# Allegro board pc053c_toplevel_61.brd (continued)
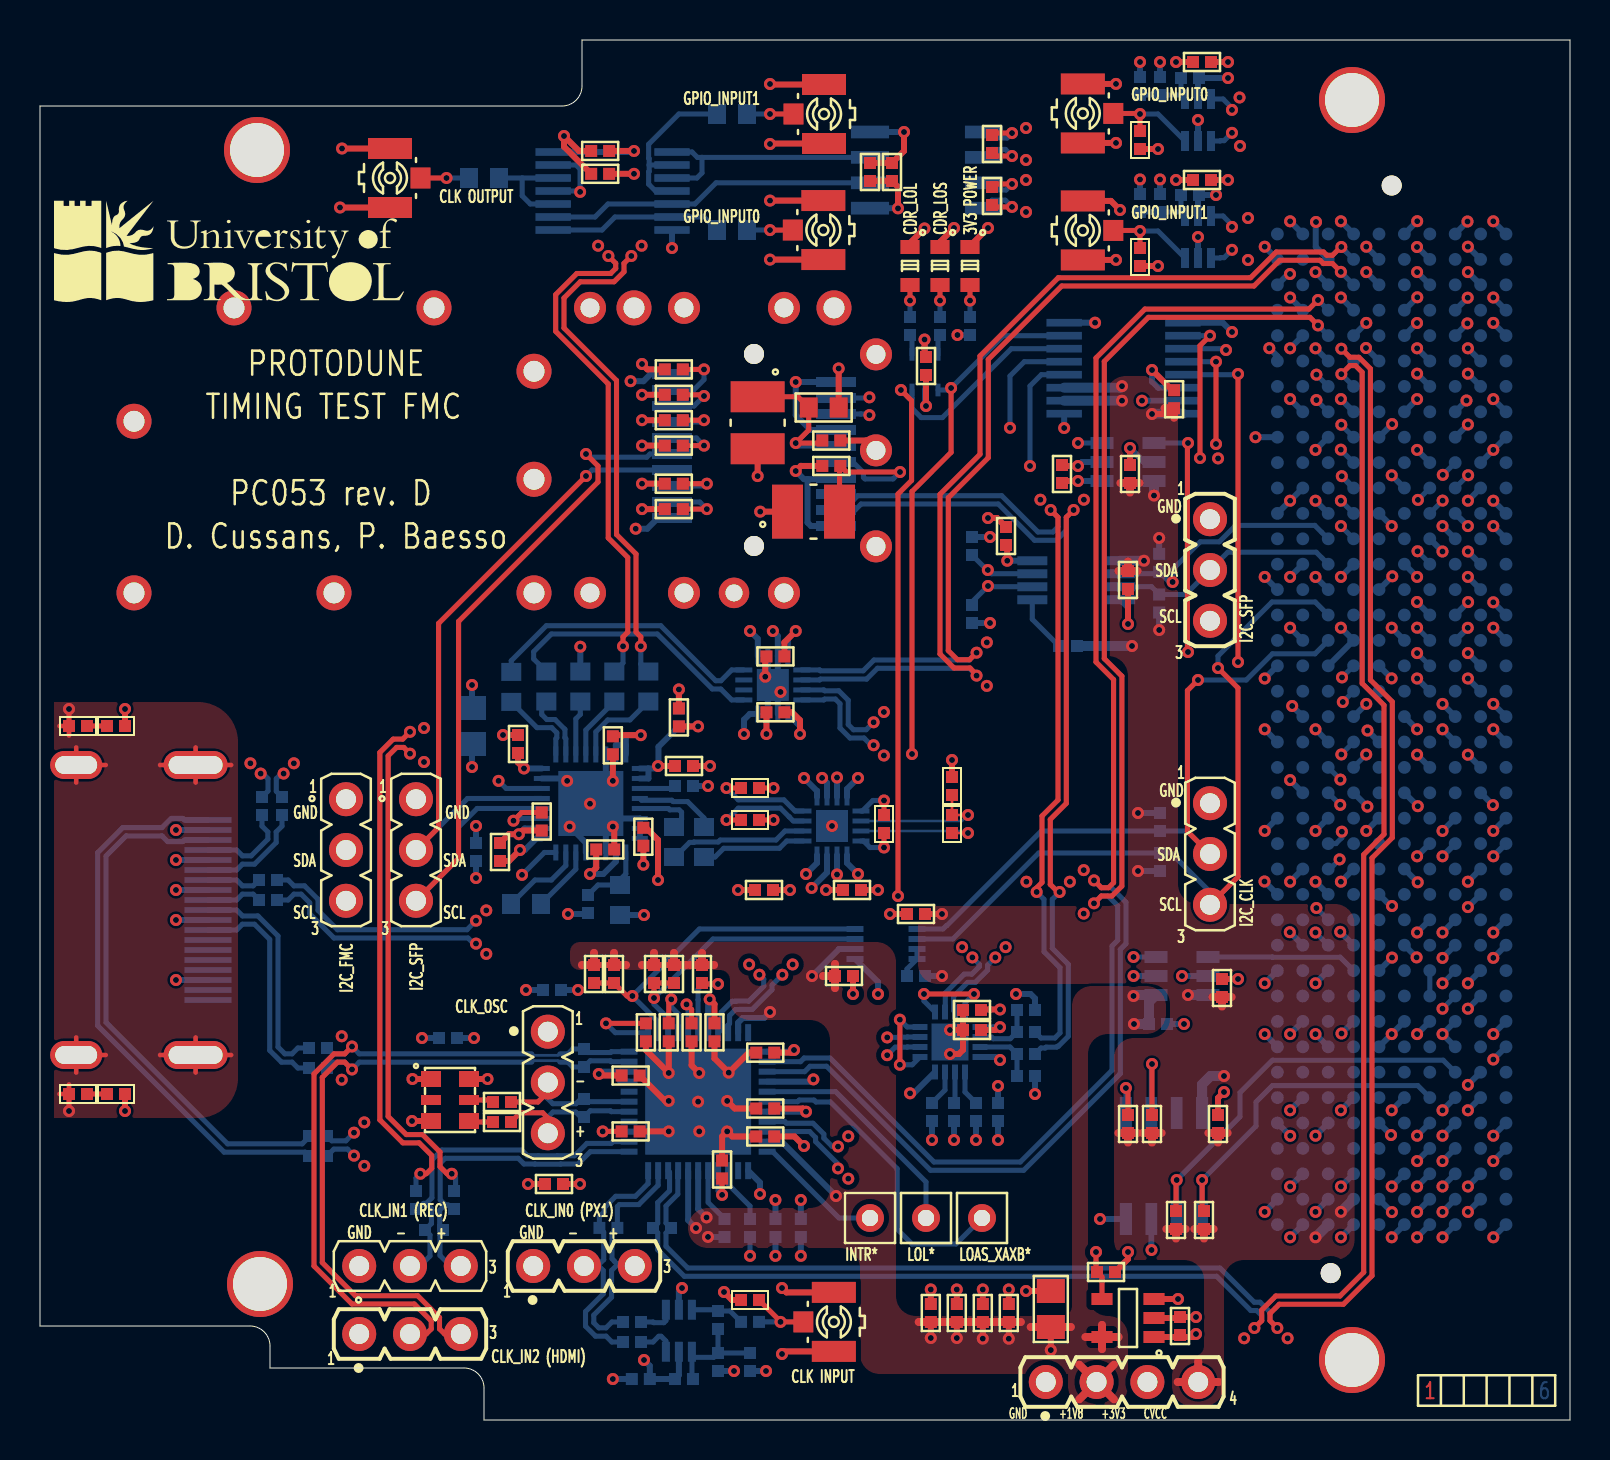
[diagram p0: board, top side]
## Routing (per net, layer and track width the routed paths; a pad name or vN(x,y) marks a point on that pad's centre or on a via; arc(x,y) is an arc through that point) (continued)
P1V8: length 49
  TOP w0.3: C20.2 v1(44.54,4.1) ; C19.2 v1(45.84,4.1) ; C13.2 v1(48.44,4.06) ; R40.1 R15.2 ; C14.2 v1(47.14,4.07) ; C12.2 v1(50.54,3.5) ; R41.1 R14.2
  TOP w0.4: 49.53,4.65 C12.2 51.54,4.65 ; 29.3,22.75 R15.2 28.7,23.36 ; 47.83,4.9 C13.2 49.04,4.9 ; 43.93,4.9 C20.2 45.14,4.9 ; 46.53,4.9 C14.2 47.74,4.9 ; 45.23,4.9 C19.2 46.44,4.9 ; 39.14,22.2 C117.2 ; C117.2 39.75,21.59 ; C117.2 39.75,22.8 ; 31.7,23.36 R14.2 32.3,22.75 ; R16.2 33.1,23.36 ; R16.2 32.49,22.75 ; R16.2 33.7,22.75 ; 52.27,4.15 REG1.5 ; REG1.5 53.1,4.75 ; REG1.5 53.1,3.54 ; REG1.5 53.93,4.15 ; 51.96,2.77 J11.2 ; J11.2 51.96,1.03 ; J11.2 53.7,1.03 ; J11.2 53.7,2.77 ; 30.7,23.36 R41.1 30.09,22.75 ; 27.7,23.36 R40.1 27.09,22.75
  BOTTOM w0.3: v1(36.5,20.4) 36.2,20.1 35.14,20.1 34.91,19.87 IC4.21 ; v1(32.8,9.6) 32.41,9.99 32.41,12.47 ; v1(39.8,11.2) 37.08,13.92 IC4.32 ; 32.91,12.47 32.91,10.55 v1(33.33,10.13) ; v1(38.6,22.2) 39.95,23.55 IC1.2 ; R13.2 v1(33.4,9.15)
  BOTTOM w0.5: v1(54.7,19.8) C65.2 55.45,20.9 IC16.1 54.72,21.25 v1(54.67,21.2)
P3V3: length 121.9
  TOP w0.3: QZ1.1 v1(18.62,17.05) ; C58.2 C57.2 43.2,63.45 v1(43.2,64.4) ; REG1.3 v1(56.9,6.05) ; C60.2 v1(29.7,62.31) ; C69.2 v1(37.5,26.5) ; v1(44.23,54.02) 44.23,53.22 C15.2 ; C45.2 37.72,14.18 v1(38.2,13.7) ; R29.1 v1(30.1,45.55) ; C7.2 47.08,20.53 v1(48,20.53) ; C33.2 28.7,34.24 v1(30.04,34.24) ; C29.2 v1(30.17,27.77) ; C73.2 v1(45.6,33) ; v1(33.48,21.03) 33.72,20.8 C49.2 ; C72.2 37.6,35.38 38,34.99 v1(38,34.3) ; C36.2 27.81,27.61 v1(27.5,27.3) ; v1(29.7,63.45) C59.2 ; R24.2 v1(30.1,49.99) ; C31.2 28.01,17.22 v1(27.94,17.3) ; C71.2 37.22,38.88 v1(37.79,39.45) ; C32.2 38.14,15.57 v1(38.3,15.42) ; v1(24.2,32.58) 23.9,32.88 C37.2 ; R22.1 30.37,52.53 v1(30.1,52.8) ; R28.1 v1(30.1,46.81) ; C107.2 48.36,43.69 v1(48.36,42.96) ; C46.2 37.57,18.37 v1(37.7,18.5) ; C40.2 v1(30.9,32.7) ; C66.2 51.2,46.95 v1(51.9,46.95) ; R57.2 24.13,29.47 v1(23.94,29.29) 23.44,29.29 C30.2 ; C70.2 v1(41.9,26.5) ; 57,4.15 REG1.1 ; 57,4.15 57.65,4.15 v1(57.8,4.3) ; 57,4.15 C9.2 ; C34.2 v1(32.9,34.68) ; L2.1 v1(36.01,45.42) ; R23.1 v1(30.1,51.26) ; C55.1 v1(59.4,67.9) ; C56.1 v1(59.4,62) ; L1.2 v1(35.88,47.2) ; v1(48,19.64) 47.9,19.64 47.76,19.5 C8.2 ; R25.2 v1(30.1,48.72) ; C48.2 v1(27,11.8) ; v1(22.38,17.05) QZ1.6
  L5_PWR w0.4: 54.34,1.9 J11.3 ; J11.3 56.4,1.9 ; J11.3 55.37,2.93 ; J11.3 55.37,0.87
  BOTTOM w0.3: v1(58.8,61.25) R37.2 57.9,61.2 IC7.5 ; v1(32.9,34.68) C34.2 30.92,33.66 30.92,32.58 30.42,32.58 ; v1(33.48,21.03) 33.41,20.96 IC4.18 ; IC5.5 31.94,2.25 R32.2 C54.1 30.49,2.71 v1(30.2,3) ; IC9.14 29.65,63.4 v1(29.7,63.45) ; C47.2 v1(38.04,11) ; v1(47.5,39.85) R140.1 ; IC12.10 28.79,27.92 28.17,27.3 v1(27.5,27.3) 27.79,27.59 IC12.12 ; IC12.2 30.42,32.08 30.42,32.58 ; IC12.24 v1(24.2,32.58) ; IC13.13 38.85,31.45 v1(38.2,32.1) ; v1(47.5,44.15) R411.1 ; v1(27.94,17.3) 28.06,17.42 29.02,17.42 ; v1(30.04,34.24) 29.29,34.24 29.29,33.74 ; IC12.18 24.23,29.58 v1(23.94,29.29) ; IC3.16 43.68,16.34 v1(43.5,16.34) ; 30.42,32.58 IC12.1 ; IC6.5 57.9,67.05 R35.2 v1(59.4,67.1) ; IC12.32 29.29,33.74 ; 29.29,33.74 28.79,33.74 IC12.31 ; v1(38.3,27.3) 38.85,27.85 IC13.8 ; IC4.8 29.02,16.92 29.02,17.42 ; 29.02,17.42 IC4.9 ; P1.D36 v1(68.85,14.21) ; IC4.26 38.55,16.92 v1(38.67,17.03) ; P1.D40 v1(68.85,9.13) ; v1(40.9,32.1) 40.35,31.55 IC13.16 ; IC17.8 37.39,39.05 v1(37.79,39.45) ; IC17.16 35.49,35.3 35.2,35.01 v1(35.2,34.3) ; IC17.13 38,34.69 v1(38,34.3) ; IC17.5 35.89,39.06 v1(35.5,39.45) ; C35.2 v1(21.6,32.65) ; v1(40.9,27.3) 40.35,27.85 IC13.5 ; IC8.8 v1(43.2,64.4) ; C3.1 v1(21.7,19.1) ; IC10.1 v1(51.21,49.6) ; C6.1 v1(24.3,21.5) ; P1.C39 v1(70.12,10.41) ; v1(38.3,15.42) IC4.29 ; v1(36,11.3) 36,11.87 35.41,12.47 ; C4.1 v1(21.8,29.7) ; C5.1 v1(47.9,16.7) ; v1(51.9,46.95) IC14.1 ; C10.2 v1(36.77,11) ; v1(37.7,18.5) 37.62,18.42 IC4.23 ; P1.D38 v1(68.85,11.68) ; R56.2 v1(45.87,54.25) ; v1(44.23,54.02) 44.25,54 IC18.5 ; IC15.8 v1(48.36,42.96) ; v1(48,19.64) 47.01,19.64 IC3.9 ; R4.2 v1(45.7,14)
P12V: length 5
  L4_SIGN w0.3: v1(70.12,12.95) 70.93,13.75 70.93,14.68 v1(70.12,15.48)
  BOTTOM w0.3: P1.C37 v1(70.12,12.95) ; P1.C35 v1(70.12,15.48)
CDR_LOL: length 58.3
  TOP w0.254: v1(43.05,51.5) 43.58,50.97 43.58,46.98 42.9,46.3 v1(42.9,26.2)
  L3_SIGN w0.254: v1(24.1,27.26) 25.45,25.91 42.61,25.91 v1(42.9,26.2)
  BOTTOM w0.254: 43.6,51.09 IC18.3 ; 43.6,51.09 43.6,50.58 44.06,50.12 45.12,50.12 48.56,53.56 IC10.6 ; 43.6,51.09 43.46,51.09 v1(43.05,51.5) ; IC12.16 25.22,28.38 v1(24.1,27.26)
CDR_LOS: length 51.2
  TOP w0.254: v1(43.6,33.3) 43.6,46.43 45.55,48.38 v1(45.55,51.6)
  L3_SIGN w0.254: v1(22.93,31.96) 23.58,31.3 26.52,31.3 26.82,31.6 28,31.6 28.58,31.02 35.22,31.02 36.9,32.7 41.1,32.7 41.15,32.65 42.95,32.65 v1(43.6,33.3)
  BOTTOM w0.254: v1(22.93,31.96) 23.31,31.58 IC12.22 ; 51.21,54.22 48.17,54.22 v1(45.55,51.6) 45.45,51.5 IC18.1
CLK_IN0_N: length 13
  BOTTOM w0.254: 30.41,12.47 30.41,11.82 29.77,11.19 28.79,11.19 28.21,10.61 28.21,10.41 27.97,10.17 R9.2 28.19,9.39 28.19,8.02 27.91,7.74 27.91,7.73 ; 27.91,7.73 27.23,7.73 J9.2 ; 27.91,7.73 28.16,7.48 28.16,6.31 27.28,5.42 27.28,4.69 27.77,4.19 28.3,4.19 28.6,3.9 C26.2
CLK_IN0_P: length 12.3
  BOTTOM w0.254: C23.2 28.6,4.9 28.3,4.61 27.94,4.61 27.69,4.86 27.69,5.25 28.58,6.14 28.58,7.48 28.83,7.73 ; 30.91,12.47 30.91,11.74 29.94,10.77 28.97,10.77 28.87,10.67 28.87,9.6 28.6,9.34 28.6,8.06 28.71,7.95 28.71,7.94 28.83,7.82 28.83,7.73 ; J9.3 29.71,7.73 28.83,7.73
CLK_IN1_N: length 17.6
  BOTTOM w0.254: C27.2 18.9,10.55 19.18,10.83 19.32,10.83 ; 19.32,10.83 19.6,11.11 19.6,13 20.09,13.5 24.09,13.5 24.37,13.21 24.92,13.21 24.92,13.21 25.86,13.21 25.87,13.21 26.73,13.21 27.35,13.83 28.56,13.83 28.64,13.92 IC4.2 ; 19.32,10.83 19.57,10.58 19.57,9.87 19.57,9.87 19.57,9.82 R11.1 19.5,9.25 19.5,8.2 19.03,7.73 18.53,7.73 J3.2
CLK_IN1_P: length 16.7
  BOTTOM w0.254: 20.24,10.75 20.41,10.75 20.61,10.55 C24.2 ; 20.24,10.75 19.99,10.5 19.99,9.66 R11.2 20,9.35 20,8.23 20.5,7.73 21.01,7.73 J3.3 ; 20.24,10.75 20.24,10.78 20.01,11.01 20.01,12.83 20.26,13.09 23.91,13.09 24.2,12.8 24.74,12.8 24.75,12.79 26.03,12.79 26.04,12.8 26.9,12.8 27.52,13.42 IC4.1
CLK_IN2_N: length 36.4
  TOP w0.254: v1(15.6,18.67) 15.23,18.31 14.7,18.31 13.7,17.3 13.7,7.7 15.6,5.8 18.71,5.8 19.56,4.95 19.56,4.55 19.31,4.3 J1.2
  BOTTOM w0.14: 24.58,18.31 24.62,18.31 24.69,18.23 25.89,18.23 25.96,18.31 26,18.31
  BOTTOM w0.254: 26,18.31 26.39,18.31 26.63,18.55 R8.2 27.38,18.37 28.52,18.37 28.57,18.42 IC4.11 ; 24.58,18.31 15.97,18.31 v1(15.6,18.67) 15.23,18.31 14.64,18.31 C28.2
CLK_IN2_P: length 35.8
  TOP w0.254: J1.3 20.23,4.3 19.98,4.55 19.98,5.12 18.89,6.21 15.77,6.21 14.11,7.87 14.11,17.13 14.87,17.89 15.23,17.89 v1(15.6,17.53)
  BOTTOM w0.14: 26,17.89 25.96,17.89 25.89,17.96 24.69,17.96 24.62,17.89 24.58,17.89
  BOTTOM w0.254: 24.58,17.89 15.97,17.89 v1(15.6,17.53) 15.23,17.89 14.64,17.89 C22.2 ; IC4.10 28.57,17.92 28.52,17.96 27.51,17.96 R8.1 26.63,17.65 26.39,17.89 26,17.89
CLK_RST: length 27.8
  TOP w0.254: R16.1 33.15,21.8 v1(33.9,21.8)
  L3_SIGN w0.254: v1(33.9,21.8) 33.9,22.43 35.07,23.6 45,23.6 46.1,22.5 54.02,22.5 v1(54.67,23.15)
  BOTTOM w0.25: IC16.3 v1(54.67,23.15)
  BOTTOM w0.254: v1(33.9,21.8) 33.16,21.8 32.9,21.55 32.9,21.02 32.9,20.05 32.91,20.05 IC4.17
CLK_SCL: length 15
  TOP w0.254: R14.1 R41.2 v1(30.7,21.1)
  BOTTOM w0.254: IC4.14 31.41,20.08 30.7,20.79 v1(30.7,21.1) 33.65,24.05 IC1.3
CLK_SDA: length 17.1
  TOP w0.254: R40.2 R15.1 29.35,21.2 v1(29.62,21.2)
  BOTTOM w0.254: IC1.4 32.97,24.55 v1(29.62,21.2) 30.91,19.91 IC4.13
CTRLVCC: length 0.9
  BOTTOM w0.3: P1.D32 v1(68.85,19.3)
CVCC: length 39.8
  TOP w0.3: C17.2 v1(45.1,25.3) ; C61.2 56.41,50.3 v1(55.6,50.3)
  TOP w0.4: 59.1,20.67 C67.2 ; C67.2 58.62,21.15 ; C67.2 59.58,21.15 ; C16.2 54.4,42.93 ; C16.2 54.88,42.45 ; C16.2 53.92,42.45 ; R39.2 54.88,14.35 ; R39.2 54.4,13.87 ; R39.2 53.92,14.35 ; R1328.2 58.68,9.55 ; R1328.2 57.72,9.55 ; R1328.2 58.2,9.07 ; 54.5,46.37 C68.2 ; C68.2 54.02,46.85 ; C68.2 54.98,46.85 ; R103.2 56.08,14.35 ; R103.2 55.6,13.87 ; R103.2 55.12,14.35 ; R138.2 57.28,9.55 ; R138.2 56.8,9.07 ; R138.2 56.32,9.55 ; 58.42,14.35 C18.2 ; C18.2 59.38,14.35 ; C18.2 58.9,13.87 ; 56.23,50.59 C61.2 56.7,50.11 ; 56.88,1.9 J11.4 ; J11.4 58.94,1.9 ; J11.4 57.91,2.93
  BOTTOM w0.3: R143.2 v1(55.96,44.1) ; R142.2 v1(55.96,39.5) ; v1(45.1,22.2) R1.2 ; R43.2 v1(54.9,27.45) ; R242.2 v1(54.9,30.35)
  BOTTOM w0.5: IC10.2 v1(54.1,50.97) ; v1(54.1,51.69) 54.02,51.62 51.21,51.62 ; P1.G39 v1(65.04,10.41) ; IC2.8 58.1,16.78 58.52,17.2 v1(59.2,17.2) ; v1(55.6,50.3) 55.61,50.31 IC10.16 ; v1(57.4,21.25) IC16.6 ; P1.H40 v1(63.77,9.13) ; v1(54.6,38.7) R42.2 ; v1(55.7,46.22) IC14.6 ; IC15.1 v1(55.2,42.96)
F_CDR_CLK_N: length 4
  BOTTOM w0.254: IC12.25 25.79,34.06 25.84,34.11 25.84,34.36 25.58,34.62 24.85,34.62 R55.1
F_CDR_CLK_P: length 3.5
  BOTTOM w0.254: IC12.26 26.29,34.06 26.24,34.11 26.24,34.53 25.75,35.02 25.34,35.02 25.09,35.28 25.09,35.69 R54.1
F_CDR_D_N: length 64.7
  TOP w0.254: v1(28.42,58.2) 28.79,57.83 28.79,57.58 28.53,57.33 26.84,57.33 25.79,56.27 25.79,54.43 28.41,51.8 28.41,44.1 29.39,43.13 29.39,39.39 29.15,39.15 v1(29.15,38.69)
  L3_SIGN w0.2: v1(28.42,58.2) 28.77,57.85 28.77,57.38 29.23,56.92 30.87,56.92 30.9,56.95 52.9,56.95 58.58,51.26 61.5,51.26 61.84,51.6 62.73,51.6 62.92,51.41 63.41,51.41 v1(63.82,51)
  BOTTOM w0.254: P1.H8 v1(63.82,51) ; R53.2 29.15,37.86 v1(29.15,38.69)
F_CDR_D_P: length 64
  TOP w0.254: v1(29.57,58.2) 29.2,57.83 29.2,57.41 28.7,56.91 27.01,56.91 26.2,56.1 26.2,54.6 28.83,51.97 28.83,44.27 29.8,43.3 29.8,39.39 30.04,39.15 v1(30.04,38.69)
  L3_SIGN w0.2: v1(29.57,58.2) 29.22,57.85 29.22,57.57 29.42,57.37 30.68,57.37 30.71,57.4 53.08,57.4 58.77,51.71 61.31,51.71 61.65,52.05 62.92,52.05 63.11,51.86 63.41,51.86 v1(63.82,52.27)
  BOTTOM w0.254: P1.H7 v1(63.82,52.27) ; R52.2 30.04,37.8 v1(30.04,38.69)
F_FMC_CLK_N: length 91.8
  TOP w0.254: v1(60.72,4.6) 61.09,4.97 61.09,5.5 61.79,6.2 65,6.2 66.19,7.39 66.19,28.27 67.2,29.29 67.2,35.74 66.11,36.83 66.11,52.39 65.77,52.72 65.49,52.72 v1(65.07,52.29)
  BOTTOM w0.254: P1.G7 v1(65.07,52.29) ; 31.41,12.47 31.48,12.4 31.48,11.46 30.89,10.87 30.89,9.84 R18.1 30.89,9.36 30.89,8.51 32.21,7.19 58.83,7.19 60.54,5.47 60.83,5.47 61.09,5.22 61.09,4.97 v1(60.72,4.6)
F_FMC_CLK_P: length 92.5
  TOP w0.254: v1(61.87,4.6) 61.5,4.97 61.5,5.33 61.96,5.79 65.17,5.79 66.6,7.21 66.6,28.1 67.61,29.11 67.61,35.91 66.52,37 66.52,52.56 65.95,53.14 65.49,53.14 v1(65.07,53.56)
  BOTTOM w0.254: v1(61.87,4.6) 61.5,4.97 61.5,5.39 61,5.89 60.71,5.89 59,7.6 32.39,7.6 31.3,8.69 31.3,9.35 R18.2 31.3,9.85 31.3,10.7 31.89,11.29 31.89,12.45 31.91,12.47 ; P1.G6 v1(65.07,53.56)
F_GPIO_OUT0_N: length 27.7
  TOP w0.254: v1(48.6,60.65) 47.75,60.65 47.65,60.75 R45.1
  L4_SIGN w0.2: v1(65.04,48.52) 64.65,48.92 64.18,48.93 63.77,49.35 62.35,49.35 60.43,51.27 60.43,54.93 55.09,60.27 54.74,60.27 54.53,60.48 54.53,60.72 54.22,61.03 53.78,61.03 53.75,61 48.95,61 v1(48.6,60.65)
  BOTTOM w0.254: IC8.4 47.6,60.99 48.26,60.99 v1(48.6,60.65) ; v1(65.04,48.52) 65.04,48.51 P1.G10
F_GPIO_OUT0_P: length 27.2
  TOP w0.254: v1(48.6,61.8) 47.75,61.8 R45.2
  L4_SIGN w0.2: v1(48.6,61.8) 48.95,61.45 53.57,61.45 53.59,61.48 54.41,61.48 55.16,60.72 55.28,60.72 60.88,55.12 60.88,51.46 62.54,49.8 63.96,49.8 63.99,49.76 v1(65.07,49.76)
  BOTTOM w0.254: IC8.3 47.56,61.5 48.3,61.5 v1(48.6,61.8) ; v1(65.07,49.76) 65.07,49.75 P1.G9
F_GPIO_OUT1_N: length 68.8
  TOP w0.254: R46.1 47.7,64.35 v1(48.6,64.35)
  L4_SIGN w0.2: v1(48.6,64.35) 48.95,64 50.5,64 51.37,63.13 55.57,63.13 55.68,63.02 56.12,63.02 56.23,63.13 72.07,63.13 74.62,60.58 74.62,33.82 72.02,31.22 65.47,31.22 v1(65.01,30.76)
  BOTTOM w0.254: v1(48.6,64.35) 48.35,64.1 47.5,64.1 IC8.1 ; P1.H23 v1(65.01,30.76)
F_GPIO_OUT1_P: length 67.4
  TOP w0.254: v1(48.6,63.2) 47.75,63.2 R46.2
  L4_SIGN w0.2: v1(65.02,32.02) 65.37,31.67 71.83,31.67 74.16,34.01 74.16,60.39 71.88,62.68 56.42,62.68 56.31,62.57 55.49,62.57 55.38,62.68 51.18,62.68 50.31,63.55 48.95,63.55 v1(48.6,63.2)
  BOTTOM w0.254: P1.H22 v1(65.02,32.02) ; IC8.2 47.6,63.53 48.27,63.53 v1(48.6,63.2)
F_MCX_CLK_N: length 2
  BOTTOM w0.254: IC5.6 31.29,3.95 31.05,4.19 30.94,4.19 30.65,3.9 C26.1
F_MCX_CLK_P: length 1.8
  BOTTOM w0.254: C23.1 30.65,4.9 30.68,4.87 31.19,4.87 31.29,4.97 IC5.1
F_RJ45_CLK_N: length 11.4
  BOTTOM w0.254: C28.1 12.9,18.6 12.6,18.31 12.24,18.31 11.9,18.65 11.9,24.2 10.9,25.2 10.13,25.2 9.83,25.5 J7.10
F_RJ45_CLK_P: length 11.4
  BOTTOM w0.254: C22.1 12.9,17.6 12.6,17.89 12.07,17.89 11.49,18.48 11.49,24.03 10.73,24.79 10.12,24.79 9.83,24.5 J7.12
F_RJ45_D_N: length 58.2
  L3_SIGN w0.2: v1(12.18,32.32) 11.85,32.65 11.85,33.15 13.93,35.23 19.15,35.23 19.17,35.25 19.63,35.25 19.65,35.23 37.73,35.23 38.45,35.95 45.45,35.95 45.7,35.7 46.93,35.7 61.54,35.7 62.13,36.29 64.71,36.29 65.1,35.9 v1(65.14,35.9)
  BOTTOM w0.254: P1.G19 v1(65.14,35.9) ; R69.2 11.81,31.44 11.81,32.07 12.07,32.32 v1(12.18,32.32)
F_RJ45_D_P: length 59
  L3_SIGN w0.2: v1(65.1,37.13) 64.71,36.74 61.94,36.74 61.35,36.15 47.57,36.15 45.89,36.15 45.64,36.41 38.26,36.41 37.54,35.69 19.84,35.69 19.82,35.71 18.98,35.71 18.96,35.69 13.74,35.69 11.4,33.34 11.4,32.69 v1(11.03,32.32)
  BOTTOM w0.254: v1(11.03,32.32) 11.15,32.32 11.4,32.07 11.4,31.45 R68.2 ; P1.G18 v1(65.1,37.13)
F_SFP_N: length 29.9
  TOP w0.254: R60.1 v1(42.2,28.62)
  L4_SIGN w0.2: v1(42.2,28.62) 42.2,29.35 42.4,29.55 43.45,29.55 44.65,30.75 44.65,49.29 43.03,50.92 42.14,50.92 41.92,51.13 v1(41.47,51.13)
  BOTTOM w0.254: v1(42.2,28.62) 41.5,28.62 41.17,28.95 IC13.4 ; J4.12 41.44,51.1 v1(41.47,51.13)
F_SFP_P: length 28.5
  TOP w0.254: R60.2 v1(42.2,30.98)
  L4_SIGN w0.2: v1(42.2,30.98) 42.2,30.31 42.51,30 43.26,30 44.2,30.94 44.2,49.1 42.84,50.46 42.14,50.46 41.92,50.24 v1(41.47,50.24)
  BOTTOM w0.254: v1(42.2,30.98) 41.65,30.98 41.12,30.45 IC13.1 ; J4.13 41.04,50.3 41.41,50.3 v1(41.47,50.24)
FMC_GA0: length 20.9
  TOP w0.254: R138.1 56.8,11.96 v1(56.83,12)
  BOTTOM w0.254: IC2.2 v1(56.83,12) 60,15.16 60,16.37 61.62,17.99 70.16,17.99 P1.C34
FMC_GA1: length 17.8
  TOP w0.254: R1328.1 58.1,10.54 v1(58.1,12)
  BOTTOM w0.254: P1.D35 68.89,16.72 61.62,16.72 60.8,15.9 60.8,14.7 v1(58.1,12) IC2.1
FMC_LA07_N: length 11.7
  BOTTOM w0.254: IC15.3 55.57,41.66 R142.1 57.28,41.28 J10.2 59.39,43.39 63.81,43.39 P1.H14
FMC_LA07_P: length 15.2
  L4_SIGN w0.254: v1(56.63,41.9) 56.63,41.83 J10.3
  BOTTOM w0.254: P1.H13 63.74,44.73 59.79,44.73 58.97,43.91 58.01,43.91 56.63,42.53 v1(56.63,41.9) 56.47,41.9 R143.1 55.86,42.31 IC15.2
FMC_LA11_N: length 33.9
  TOP w0.254: J8.2 57.37,29.43 57.37,36.47 v1(57.9,37)
  BOTTOM w0.254: IC1.5 45.15,24.55 45.32,24.72 45.34,24.72 50.07,29.45 R242.1 57.35,29.45 J8.2 ; P1.H17 64.41,38.97 63.75,38.31 61.62,38.31 60.31,37 v1(57.9,37)
FMC_LA11_P: length 38.2
  TOP w0.254: J8.3 59.9,27.16 59.9,36.6 v1(58.9,37.6)
  BOTTOM w0.254: P1.H16 63.76,40.9 61.6,40.9 58.9,38.2 v1(58.9,37.6) ; J8.3 58.5,26.4 56.55,28.35 R43.1 49.94,28.35 45.64,24.05 IC1.6
FMC_SCL: length 67.5
  TOP w0.254: v1(55.6,17.8) R103.1
  L3_SIGN w0.254: J6.3 20.46,20.8 28.6,20.8 29.9,19.5 39.1,19.5 42.9,15.7 50.62,15.7 52.72,17.8 v1(55.6,17.8) 57.6,17.8 61,21.2 69.49,21.2 v1(70.12,21.84)
  BOTTOM w0.254: P1.C30 v1(70.12,21.84) ; IC2.6 55.56,17.77 v1(55.6,17.8)
FMC_SDA: length 71.5
  TOP w0.254: R39.1 54.4,16.49 v1(54.29,16.6)
  L3_SIGN w0.254: v1(70.12,20.57) 61.66,20.57 57.7,16.6 v1(54.29,16.6) 52.69,15 39.88,15 36.68,18.2 19.1,18.2 13.6,23.7 13.6,26.8 J6.2
  BOTTOM w0.254: P1.C31 v1(70.12,20.57) ; v1(54.29,16.6) IC2.5
FPGA_CDR_LOL: length 15.8
  L3_SIGN w0.254: v1(58.9,48.08) 60.08,46.9 63.99,46.9 64.92,45.97 v1(65.04,45.97)
  L4_SIGN w0.254: v1(58.9,48.08) 59.49,48.67 59.49,51.92 59.35,52.07 59.35,52.53 59.35,52.54 59.35,53.45 v1(59.3,53.5)
  BOTTOM w0.254: IC10.11 59.23,53.56 v1(59.3,53.5) ; P1.G12 v1(65.04,45.97)
FPGA_CDR_LOS: length 17
  TOP w0.254: v1(58,48.1) 58,53.72 v1(58.5,54.22)
  L3_SIGN w0.254: v1(65.04,44.7) 61.4,44.7 v1(58,48.1)
  BOTTOM w0.254: v1(58.5,54.22) 57.15,54.22 ; P1.G13 v1(65.04,44.7)
FPGA_CLK_RST: length 7.6
  BOTTOM w0.254: P1.G30 65.01,23.14 61.62,23.14 61.61,23.15 IC16.4
FPGA_SFP_LOS: length 19.3
  TOP w0.254: v1(58.8,48.8) v1(58.8,52.91)
  L3_SIGN w0.254: v1(58.8,48.8) 60,48.8 61,47.8 63.66,47.8 64.85,46.61 65.45,46.61 67.01,45.05 67.01,44.46 68.02,43.44 v1(68.88,43.44)
  BOTTOM w0.254: IC10.12 v1(58.8,52.91) ; v1(68.88,43.44) 69.49,42.82 P1.D14
FPGA_SFP_TX_DIS: length 25
  TOP w0.254: v1(57.4,38.4) 57.37,38.43 57.37,48.82 v1(57.4,48.85)
  L3_SIGN w0.254: v1(68.85,39.62) 68.12,38.88 59.02,38.88 58.54,38.4 v1(57.4,38.4)
  BOTTOM w0.254: P1.D17 v1(68.85,39.62) ; v1(57.4,48.85) IC14.4
FPGA_SFP_TX_FLT: length 27.2
  TOP w0.254: v1(59.9,52.3) v1(59.9,37.9)
  L3_SIGN w0.254: v1(68.85,38.34) 60.34,38.34 v1(59.9,37.9)
  BOTTOM w0.254: v1(59.9,52.3) 59.86,52.27 IC10.13 ; P1.D18 v1(68.85,38.34)
GPIO_IN0_N: length 29.6
  L3_SIGN w0.2: v1(59.6,65.5) 59.94,65.16 63.75,65.16 64.81,64.1 68.1,64.1 70.73,61.47 70.73,48.41 71.01,48.13 71.01,47.65 v1(71.41,47.24)
  BOTTOM w0.254: v1(71.41,47.24) 71.4,47.24 P1.C11 ; IC6.6 59.15,66.05 59.6,65.6 v1(59.6,65.5)
GPIO_IN0_P: length 28.6
  L3_SIGN w0.2: v1(70.14,47.26) 70.55,47.66 70.55,47.94 70.28,48.22 70.28,61.28 67.91,63.64 64.62,63.64 63.56,64.7 59.94,64.7 v1(59.6,64.36)
  BOTTOM w0.254: IC6.1 59,63.95 59.02,63.97 59.21,63.97 v1(59.6,64.36) ; P1.C10 70.15,47.26 v1(70.14,47.26)
GPIO_IN1_N: length 26.5
  L3_SIGN w0.2: v1(70.13,45.97) 69.75,46.35 69.75,46.86 68.66,47.95 68.63,47.95 68.3,48.28 68.3,48.73 68.7,49.13 68.7,50.34 67.85,51.19 67.85,59.15 66.06,60.94 62.09,60.94 60.46,59.31 59.94,59.31 v1(59.6,59.65)
  BOTTOM w0.254: IC7.6 59.15,60.2 59.6,59.75 v1(59.6,59.65) ; v1(70.13,45.97) P1.D12
GPIO_IN1_P: length 25.6
  L3_SIGN w0.2: v1(68.89,46.01) 69.3,46.41 69.3,46.68 68.47,47.5 68.44,47.5 67.85,48.09 67.85,48.92 68.25,49.32 68.25,50.15 67.4,51 67.4,58.96 65.87,60.49 62.28,60.49 60.64,58.85 59.94,58.85 v1(59.6,58.51)
  BOTTOM w0.254: v1(59.6,58.51) 59.21,58.12 59.02,58.12 59,58.1 IC7.1 ; v1(68.89,46.01) P1.D11
IN_N: length 4.1
  BOTTOM w0.254: IC12.4 30.08,30.99 31.59,30.99 31.66,30.92 32.38,30.92 33.2,30.1 C44.2